# Altium PCB SAU-G0.PcbDoc
Units mil, origin at the board's own origin, x right, y up, seen from the top; angles counter-clockwise.
Board outline 734.77 x 767.84 mil, 4 copper layers (Top Layer, G1, G2, Bottom Layer), stack 38.557 mil thick; 93 components, 77 nets, 307 pads, 87 vias.
Unrouted connection lines stored in the file: 2.
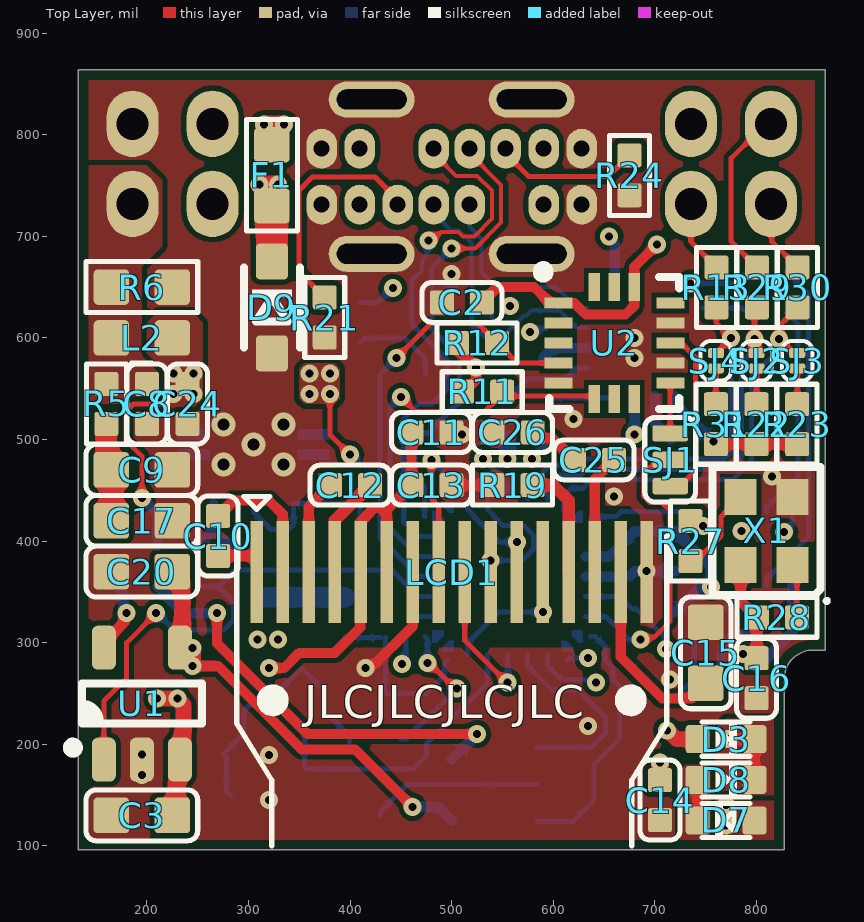
[diagram p0: Top Layer view]
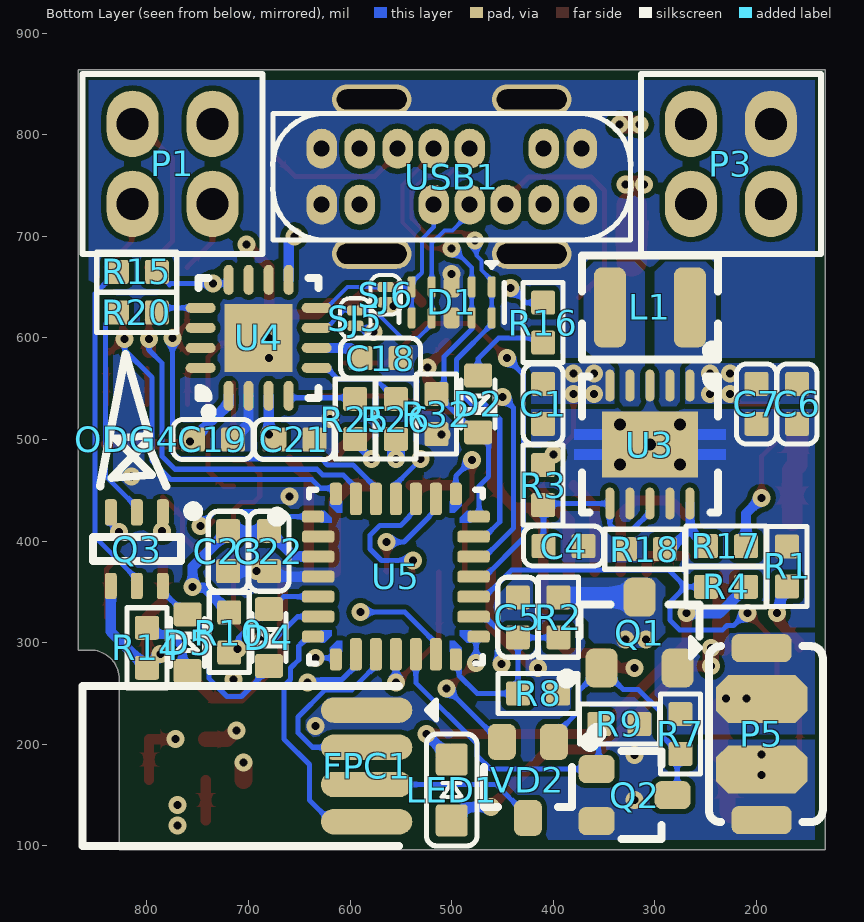
[diagram p1: Bottom Layer view, seen from below]
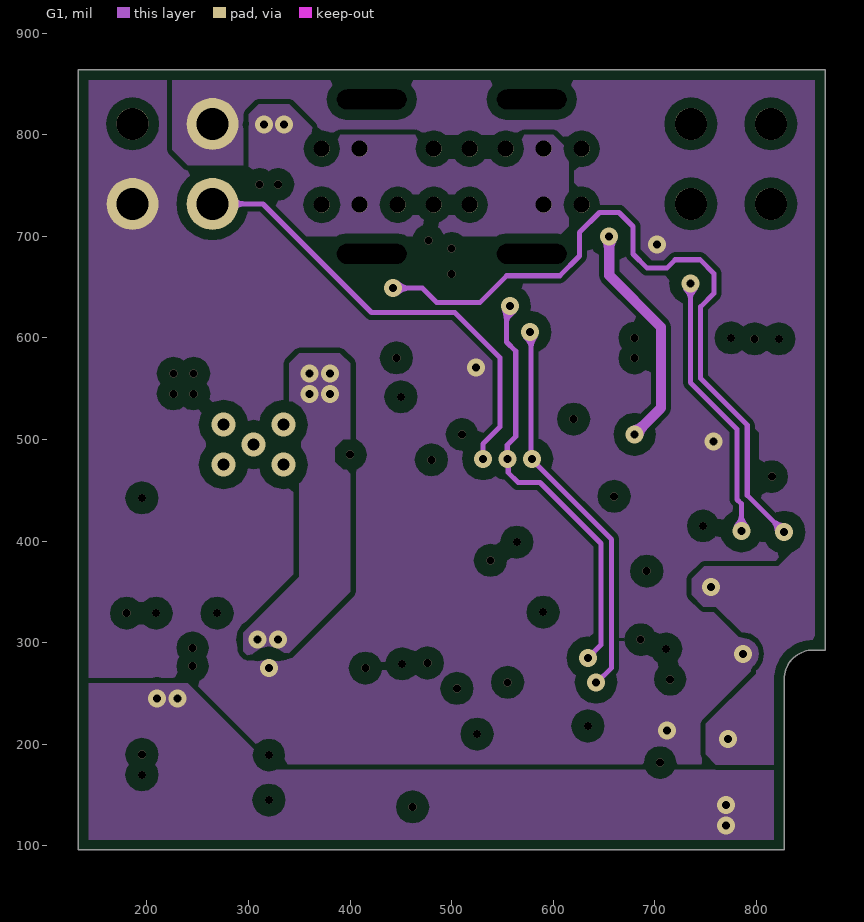
[diagram p2: G1]
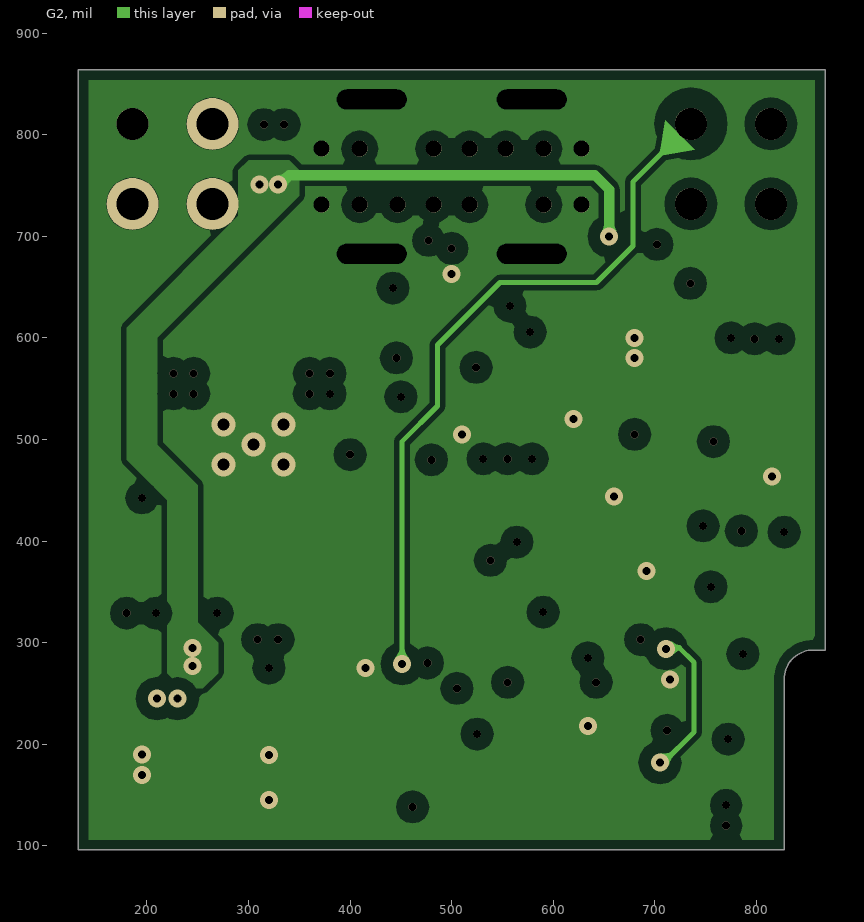
[diagram p3: G2]
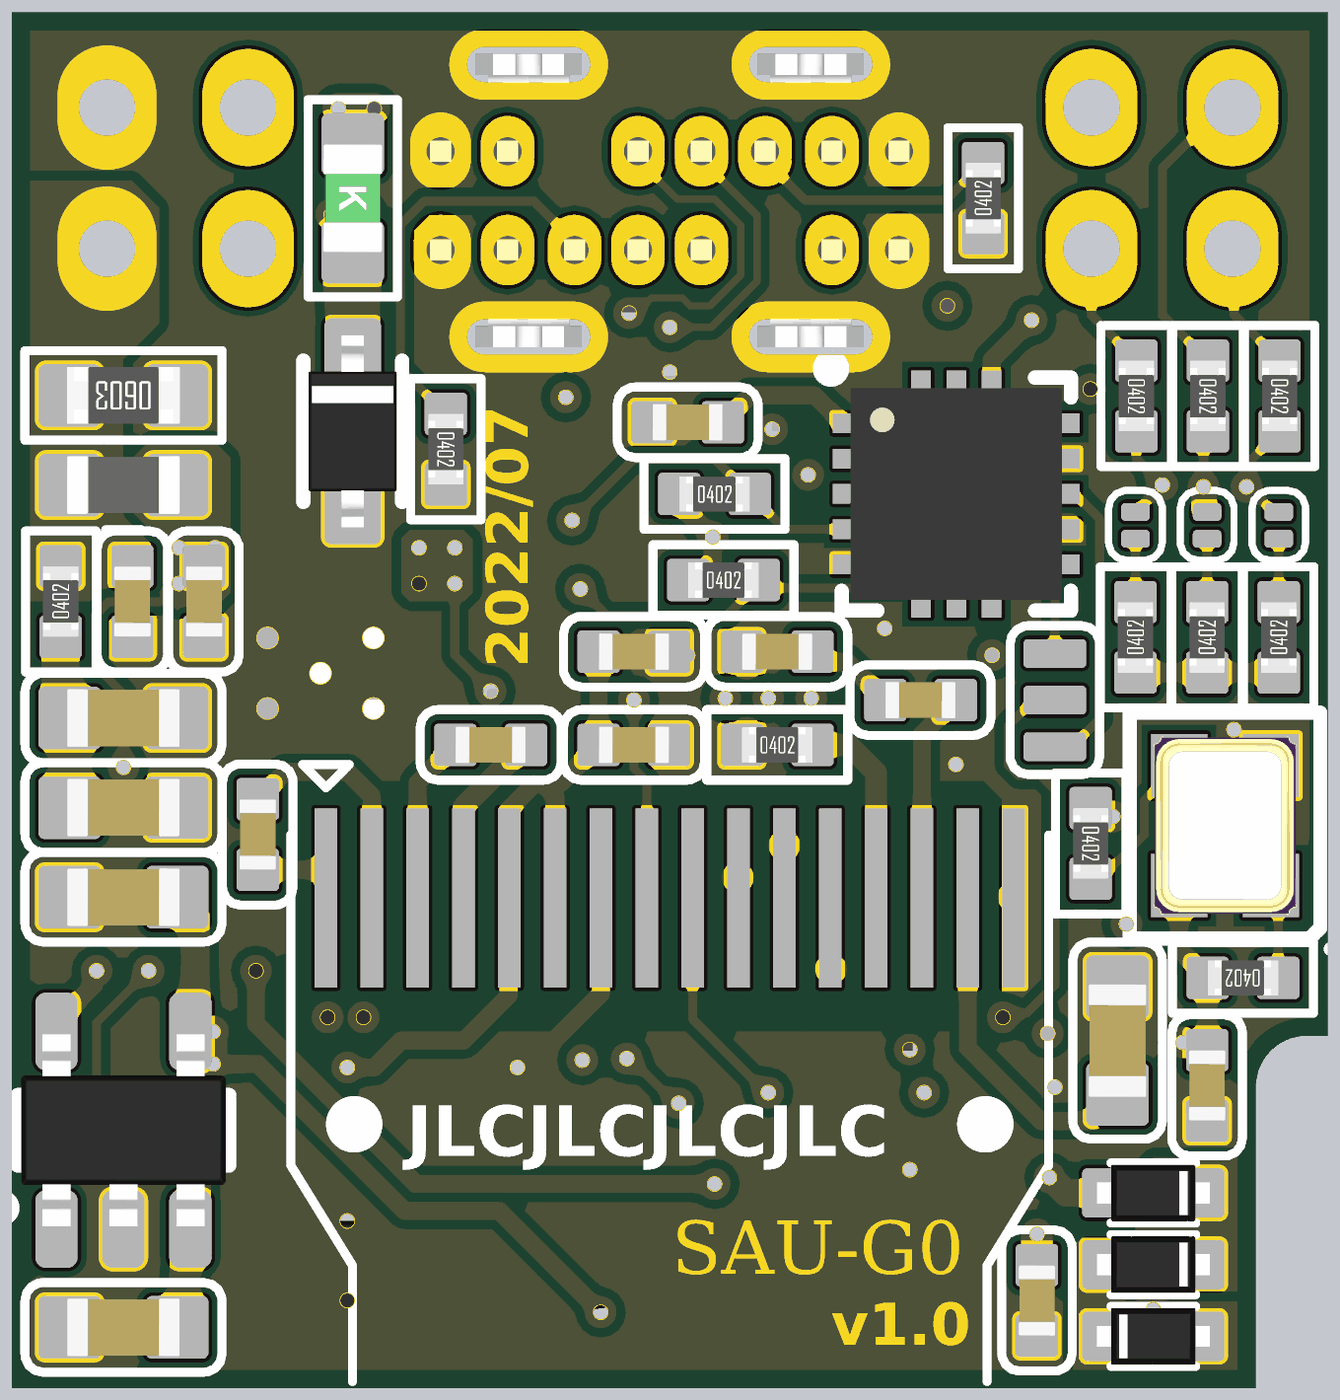
[diagram p4: 3D render of the assembled board from above, using the file's embedded part models]
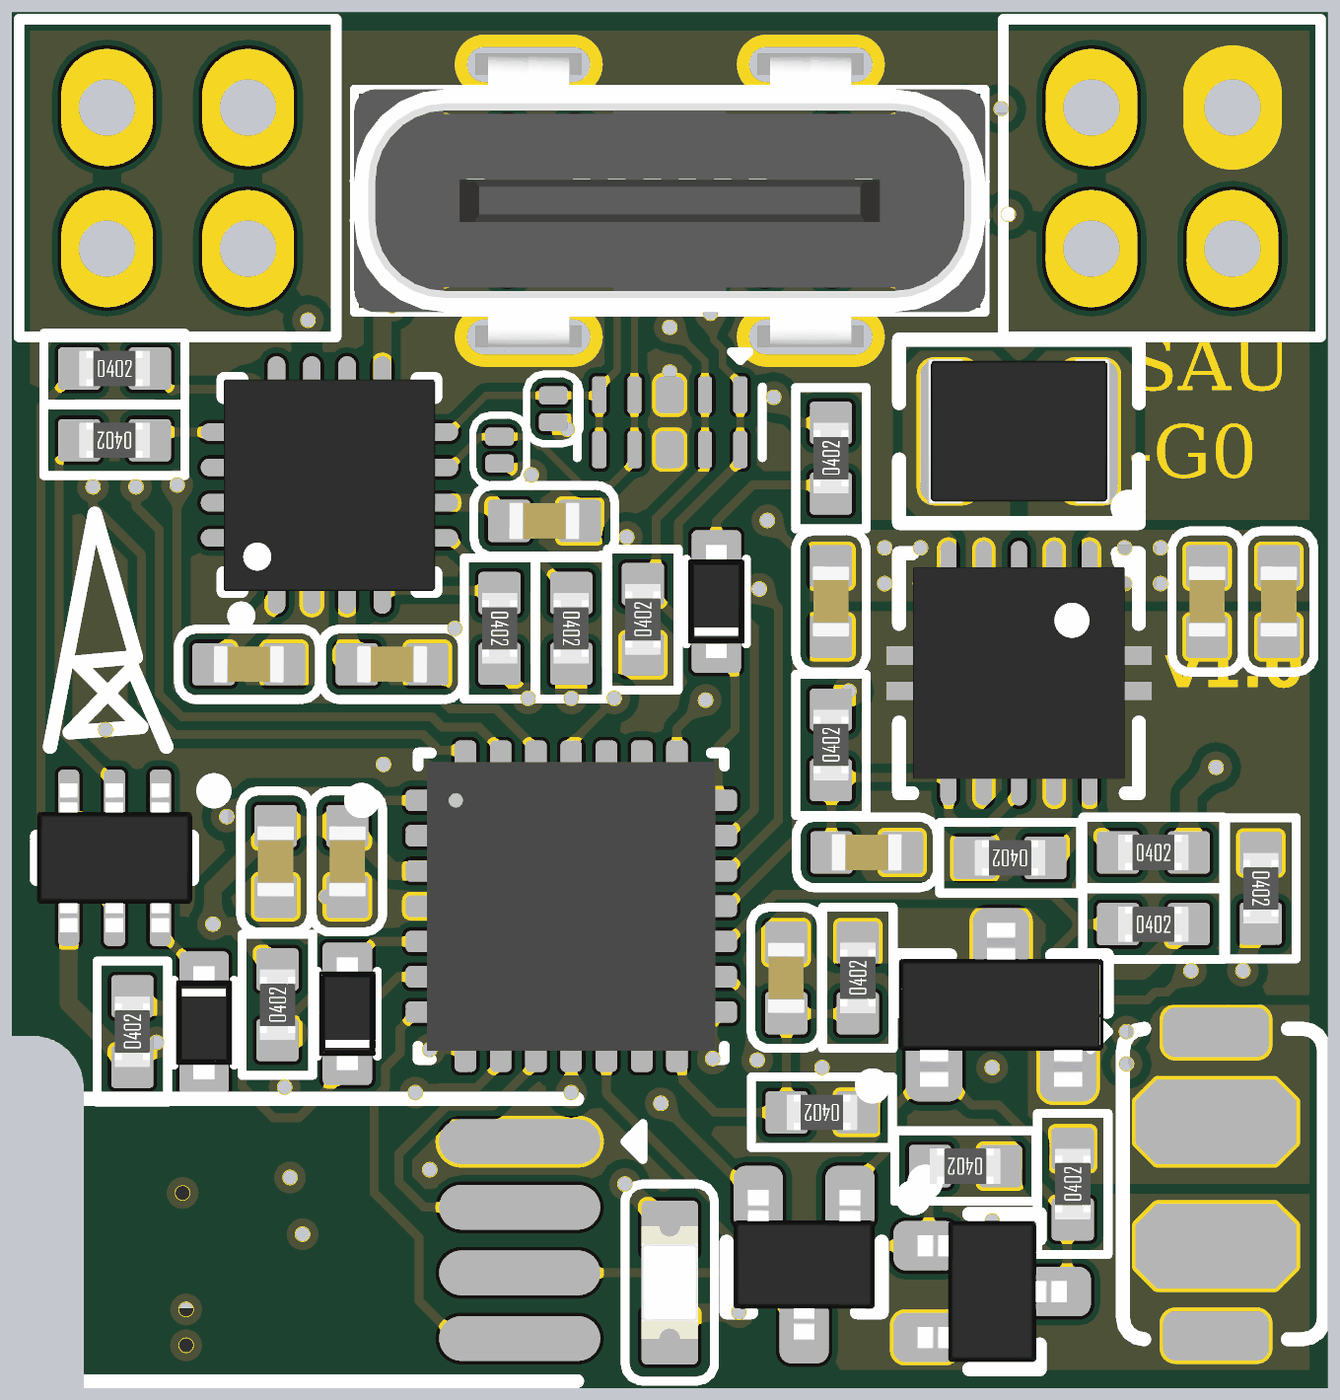
[diagram p5: 3D render of the assembled board from below, using the file's embedded part models]

## Layer stack, top to bottom
Top Solder: solder mask 0.4, Solder Resist, Dk 3.5
Top Layer: signal copper 1.4
Dielectric 2: prepreg 2.8, PP-006, Dk 4.1
G1: signal copper 1.3778
Dielectric 1: dielectric 27.4016, FR-4, Dk 4.8
G2: signal copper 1.3778
Dielectric 3: prepreg 2.8, PP-006, Dk 4.1
Bottom Layer: signal copper 1.4
Bottom Solder: solder mask 0.4, Solder Resist, Dk 3.5

## Board outline
132.61,96 132.61,863.84 867.38,863.84 867.39,863.84 867.39,292.71 855.71,292.71 ccw(c855.67,264.26) 827.21,264.22 827.21,96

## Design rules (kind name [scope] priority, off if disabled: settings)
BoardOutlineClearance [All] p1: gap=10 ignorepadtopadclearanceinfootprint=FALSE except(0: Arc-SplitContinuation Track-SplitContinuation SMDPad-SplitContinuation THPad-SplitContinuation Via-SplitContinuation Fill-SplitContinuation Poly-SplitContinuation Region-SplitContinuation Text-SplitContinuation)
Clearance Clearance_G2_Pad [InPolygon && OnLayer('G2') vs IsPad] p1: gap=10 ignorepadtopadclearanceinfootprint=FALSE except(0: Arc-Text Arc-Hole Track-Text Track-Hole SMDPad-Text SMDPad-Hole THPad-Text THPad-Hole Via-Text Via-Hole Fill-Text Fill-Hole Poly-Text Poly-Hole Region-Text Region-Hole Text-Text Text-Hole)
Clearance Clearance_G1_Pad [InPolygon && OnLayer('G1') vs IsPad] p2: gap=10 ignorepadtopadclearanceinfootprint=FALSE except(0: Arc-Text Arc-Hole Track-Text Track-Hole SMDPad-Text SMDPad-Hole THPad-Text THPad-Hole Via-Text Via-Hole Fill-Text Fill-Hole Poly-Text Poly-Hole Region-Text Region-Hole Text-Text Text-Hole)
Clearance Clearance_G2_Via [OnLayer('G2') vs IsVia] p3: gap=12 ignorepadtopadclearanceinfootprint=FALSE except(0: Arc-Text Arc-Hole Track-Text Track-Hole SMDPad-Text SMDPad-Hole THPad-Text THPad-Hole Via-Text Via-Hole Fill-Text Fill-Hole Poly-Text Poly-Hole Region-Text Region-Hole Text-Text Text-Hole)
Clearance Clearance_G1_Via [OnLayer('G1') vs IsVia] p4: gap=12 ignorepadtopadclearanceinfootprint=FALSE except(0: Arc-Text Arc-Hole Track-Text Track-Hole SMDPad-Text SMDPad-Hole THPad-Text THPad-Hole Via-Text Via-Hole Fill-Text Fill-Hole Poly-Text Poly-Hole Region-Text Region-Hole Text-Text Text-Hole)
Clearance [All] p5: gap=5 ignorepadtopadclearanceinfootprint=FALSE except(0: Arc-Text Arc-Hole Track-Text Track-Hole SMDPad-Text SMDPad-Hole THPad-Text THPad-Hole Via-Text Via-Hole Fill-Text Fill-Hole Poly-Text Poly-Hole Region-Text Region-Hole Text-Text Text-Hole)
MinimumSolderMaskSliver [All] p1: minsoldermaskwidth=0
PlaneClearance [All] p1: clearance=11.81
PlaneConnect [All] p1: planeconnectstyle=Direct reliefexpansion=10 reliefentries=4 reliefconductorwidth=10 reliefairgap=10
PolygonConnect [All] p1: connectstyle=Direct reliefconductorwidth=10 reliefentries=4 polygonreliefangle="90 Angle" airgapwidth=10
RoutingVias [All] p1: holewidth=7.87 width=17.72 viastyle="Through Hole" minholewidth=7.87 minwidth=17.72 maxholewidth=196.85 maxwidth=196.85
SilkToSilkClearance [All] p1: silktosilkclearance=0
SilkToSolderMaskClearance [IsPad] p1: minsilkscreentomaskgap=0 clearancetoexposedcopper=TRUE
SolderMaskExpansion [All] p1: expansion=2
Width [All] p1: maxlimit=100 minlimit=4 preferedwidth=4
25 further rules are at their usual default settings.

## Components (designator, comment, footprint, x,y, rotation, side; value= is the part's Value field where it differs from the comment)
C1 "10uF" C0402 410,535 r270 bottom value=0.1u
C2 "10uF" C0402 510,635 r180 top value=0.1u
C3 "4.7uF" C0603 195,130 r180 top value=0.1u
C4 "0.1uF" C0402 390,395 r180 bottom value=0.1u
C5 "0.1uF" C0402 435,325 r90 bottom value=0.1u
C6 "10uF" C0402 160,535 r270 bottom value=0.1u
C7 "10uF" C0402 200,535 r270 bottom value=0.1u
C8 "10uF" C0402 200,535 r270 top value=0.1u
C9 "22uF" C0603 195,470 r0 top value=0.1u
C10 "1uF/16V" C0402 270,405 r90 top value=0.1u
C11 "1uF" C0402 480,507 r0 top value=0.1u
C12 "1uF/16V" C0402 400,455 r0 top value=0.1u
C13 "100nF" C0402 480,455 r180 top value=0.1u
C14 "0.1uF" C0402 705,145 r270 top value=0.1u
C15 "2.2uF/16V" C0603 750,290 r90 top value=0.1u
C16 "100nF" C0402 800,265 r270 top value=0.1u
C17 "22uF" C0603 195,420 r0 top value=0.1u
C18 "100nF" C0402 570,580 r180 bottom value=0.1u
C19 "1uF" C0402 735,500 r0 bottom value=0.1u
C20 "4.7uF" C0603 195,370 r180 top value=0.1u
C21 "1uF" C0402 655,500 r0 bottom value=0.1u
C22 "0.1uF" C0402 680,390 r270 bottom value=0.1u
C23 "4.7uF" C0402 720,390 r270 bottom value=0.1u
C24 "10nF" C0402 240,535 r270 top value=0.1u
C25 "10uF/10V" C0402 640,480 r180 top value=0.1u
C26 "10uF/10V" C0402 560,507 r180 top value=0.1u
D1 "PESD1LVDS" DFN2510-10_SOT1165-1 500,635 r0 bottom
D2 "1N4148WT" SOD-523 474,535 r270 bottom
D3 "RB521S-30" SOD-523 770,205 r0 top
D4 "1N4148WT" SOD-523 680,305 r270 bottom
D5 "1N4148WT" SOD-523 760,300 r90 bottom
D7 "1N4148WT" SOD-523 770,125 r180 top
D8 "1N4148WT" SOD-523 770,165 r0 top
D9 "SD05" SOD-323 323,630 r90 top
F1 "6V/500mA" FUSE0603_0.5MM 323,760 r270 top
FPC1 "CONN_X4_FPC_Button_X3" FPC_Buttons_X3_Flip_to_PCB_Buttom_to_Back_3.06mm_NO_3D_NO_SLIK_1 500,178.74 r0 top locked
L1 "2.2uH" "TAIYO YUDEN MAMK2520T1R0M" 305,630 r180 bottom
L2 "10uH" FER0603 195,600 r180 top
LCD1 "OLED_SPI_16PIN" OLED_64X48_0.66_SSD1306_TOP_FPC_TO_BACK_1MM_NO_3D_NO_SLIK_1 500,859.84 r0 top locked
LED1 "LED" LED0603_WHITE 500,155 r90 bottom value=color?
ODG4 "ODG_LOGO" ODG_LOGO 820,500 r180 bottom locked
P1 "Female" 2.0MM_FMALE_2X2 774.8,771.26 r180 bottom locked
P3 "Female" 2.0mm_Fmale_2x2 225.2,771.26 r0 bottom locked
P5 "CONN_X2_TE" TE-198181x_Female+Male 195,210 r270 bottom locked
Q1 "SI2301" "INFINEON SOT-23-3" 315,310 r90 bottom
Q2 "2N7002KW" "DIODES SOT-323-3" 320,150 r180 bottom
Q3 "LMBT3946DW1T1G" "ON SEMI SOT-363" 810,392 r270 bottom
R1 "20K" R0402 170,375 r270 bottom value=22R
R2 "100K" R0402 395,325 r90 bottom value=22R
R3 "100R" R0402 410,455 r90 bottom value=22R
R4 "1K" R0402 230,355 r180 bottom value=22R
R5 "0~1R" R0402 160,535 r90 top value=22R
R6 "47K" R0603 195,650 r180 top value=22R
R7 "100K" R0402 275,210 r90 bottom value=22R
R8 "100K" R0402 415,250 r0 bottom value=22R
R9 "100K" R0402 335,220 r0 bottom value=22R
R10 "10K" R0402 719,310 r90 bottom value=22R
R11 "4.7K" R0402 530,547 r0 top value=22R
R12 "4.7K" R0402 525,595 r0 top value=22R
R13 "100R" R0402 760.47,649.68 r270 top value=22R
R14 "10K" R0402 800,295 r90 bottom value=22R
R15 "1K" R0402 810,665 r180 bottom value=22R
R16 "1K" R0402 410,615 r90 bottom value=22R
R17 "1M" R0402 230,395 r180 bottom value=22R
R18 "178K" R0402 310,392 r0 bottom value=22R
R19 "390K" R0402 560,455 r0 top value=22R
R20 "1K" R0402 810,625 r0 bottom value=22R
R21 "5.1K" R0402 375,620 r270 top value=22R
R22 "4.7K" R0402 800,515 r90 top value=22R
R23 "4.7K" R0402 840,515 r90 top value=22R
R24 "5.1K" R0402 675,760 r90 top value=22R
R25 "0R" R0402 595,520 r270 bottom value=22R
R26 "0R" R0402 555,520 r270 bottom value=22R
R27 "100R" R0402 735,400 r270 top value=22R
R28 "10K" R0402 820,325 r180 top value=22R
R29 "100R" R0402 800.47,649.68 r270 top value=22R
R30 "100R" R0402 840.47,649.68 r270 top value=22R
R31 "4.7K" R0402 760,515 r90 top value=22R
R32 "10K" R0402 515,525 r90 bottom value=22R
SJ1 "SJ_3P" SJ_3P_MINI 715,480 r270 top
SJ2 "SJ_2P" SJ_2P_TINY 800,585 r270 top
SJ3 "SJ_2P" SJ_2P_TINY 840,585 r270 top
SJ4 "SJ_2P" SJ_2P_TINY 760,585 r270 top
SJ5 "SJ_2P" SJ_2P_TINY 595,627 r270 bottom
SJ6 "SJ_2P" SJ_2P_TINY 565,650 r270 bottom
U1 "MCP73831T" "MICROCHIP SOT-23-5 OT" 195,240 r90 top
U2 "LIS3DH" LGA-16-3X3 660,595 r0 top
U3 "TPS63000 / TPS63001" "TI PVSON-10 3x3MM DRC" 305,495 r270 bottom
U4 "CH343P" "CH343P_QFN-16 3x3MM" 690,600 r90 bottom
U5 "STM32G031G8U6" UFQFPN28-4x4mm_ODG 555,365 r180 bottom locked
USB1 "Type-C" TYPE-C_14P_Vertical_H_10mm 500,758.66 r0 bottom locked
VD2 "BAT54C" "DIODES SOT-323-3" 425,165 r270 bottom
X1 "XTAL-4P" "NDK NX2520SA" 810,410 r90 top

## Footprints (in the part's own frame and the unit in brackets; to place one, negate y for a bottom-side part, rotate by r counter-clockwise, add the part's x,y. Pads: shape width x height; smd on the part's side, far side on the other; paste and mask are expansions set on the pad)
2.0MM_FMALE_2X2 [mm]
  oval 1.3x1.66 / inner round 0.8 / far side oval 1.3x1.66 hole 0.8: 1(-1,1) 2(1,1) 3(-1,-1) 4(1,-1)
  silkscreen extent -2.25,-2.25 2.25,2.25, body extent -2.25,-2.25 2.25,2.25, height 4.3
2.0mm_Fmale_2x2 [mm]
  oval 1.3x1.66 / inner round 1.3 / far side oval 1.3x1.66 hole 0.8: 1(-1,1) 2(1,1) 4(1,-1)
  oval 1.3x1.66 / inner round 0.8 / far side oval 1.3x1.66 hole 0.8: 3(-1,-1)
  silkscreen extent -2.25,-2.25 2.25,2.25, body extent -2.25,-2.25 2.25,2.25, height 4.3
C0402 [mm]
  rrect20% 0.6x0.6 smd: 1(-0.5,0) 2(0.5,0)
  silkscreen extent -1,-0.5 1,0.5, body extent -0.5,-0.26 0.5,0.26, height 0.52
C0603 [mil]
  rrect20% 35x35 smd: 1(-30,0) 2(30,0)
  silkscreen extent -55,-25 55,25, body extent -31,-16 32,16, height 32
"CH343P_QFN-16 3x3MM" [mm] "16-QFN (3x3)  Package, 0.5mm Pitch, 3.00x3.00mm Body"
  oval 0.75x0.25 smd: 1(-1.45,0.75) 2(-1.45,0.25) 3(-1.45,-0.25) 4(-1.45,-0.75) 9(1.45,-0.75) 10(1.45,-0.25) 11(1.45,0.25) 12(1.45,0.75)
  oval 0.25x0.75 smd: 5(-0.75,-1.45) 6(-0.25,-1.45) 7(0.25,-1.45) 8(0.75,-1.45) 13(0.75,1.45) 14(0.25,1.45) 15(-0.25,1.45) 16(-0.75,1.45)
  rect 1.7x1.7 smd: 17(0,0)
  silkscreen extent -1.95,-1.5 1.5,1.5, body extent -1.5,-1.5 1.5,1.5, height 0.8
DFN2510-10_SOT1165-1 [mm]
  rrect50% 0.2x0.525 smd: 1(-1,-0.387) 2(-0.5,-0.387) 4(0.5,-0.387) 5(1,-0.387) 6(1,0.387) 7(0.5,0.387) 9(-0.5,0.387) 10(-1,0.387)
  rrect50% 0.4x0.525 smd: 3(0,-0.388) 8(0,0.388)
  silkscreen extent -1.31,-1 1.31,0.5, body extent -1.25,-0.5 1.25,0.5, height 0.47
"DIODES SOT-323-3" [mm] "SOT323, 3-Leads, Body 2.00x2.10mm, Pitch 0.65mm, IPC Medium Density"
  rrect50% 0.9x0.7 smd: 1(-0.95,0.65) 2(-0.95,-0.65) 3(0.95,0)
  silkscreen extent -1.08,-1.1 0.67,1.67, body extent -1.06,-1 1.06,1, height 1
FER0603 [mil]
  rrect25% 35x35 smd: 1(-30,0) 2(30,0)
  silkscreen extent -10,-25 10,25, body extent -31,-16 31,16, height 32
FPC_Buttons_X3_Flip_to_PCB_Buttom_to_Back_3.06mm_NO_3D_NO_SLIK_1 [mil]
  rrect100% 90x25 smd far side: 1(83.79,54.92) 2(83.79,18.31) 3(83.79,-18.31) 4(83.79,-54.92)
FUSE0603_0.5MM [mil]
  rrect25% 35x35 smd: 1(-30,0) 2(30,0)
  silkscreen extent -55,-25 55,25, body extent -30,-17 30,17, height 23
"INFINEON SOT-23-3" [mm] "SOT23, 3-Leads, Body 2.90x2.40mm, Pitch 0.95mm, IPC Medium Density"
  rrect50% 0.972x0.802 smd: 1(-0.885,0.95) 2(-0.885,-0.95) 3(0.885,0)
  silkscreen extent -1.27,-1.5 0.7,1.95, body extent -1.16,-1.45 1.16,1.45, height 1
LED0603_WHITE [mm] "Chip Diode, 2-Leads, Body 1.60x0.80mm, IPC Medium Density"
  rrect20% 0.8x0.8 smd: 1(-0.762,0) 2(0.762,0)
  silkscreen extent -1.4,-0.64 1.4,0.64, body extent -0.8,-0.4 0.8,0.4, height 0.53
LGA-16-3X3 [mm]